# Altium PCB MOTHERBOARD.PcbDoc (part 2 of 4) (continued)
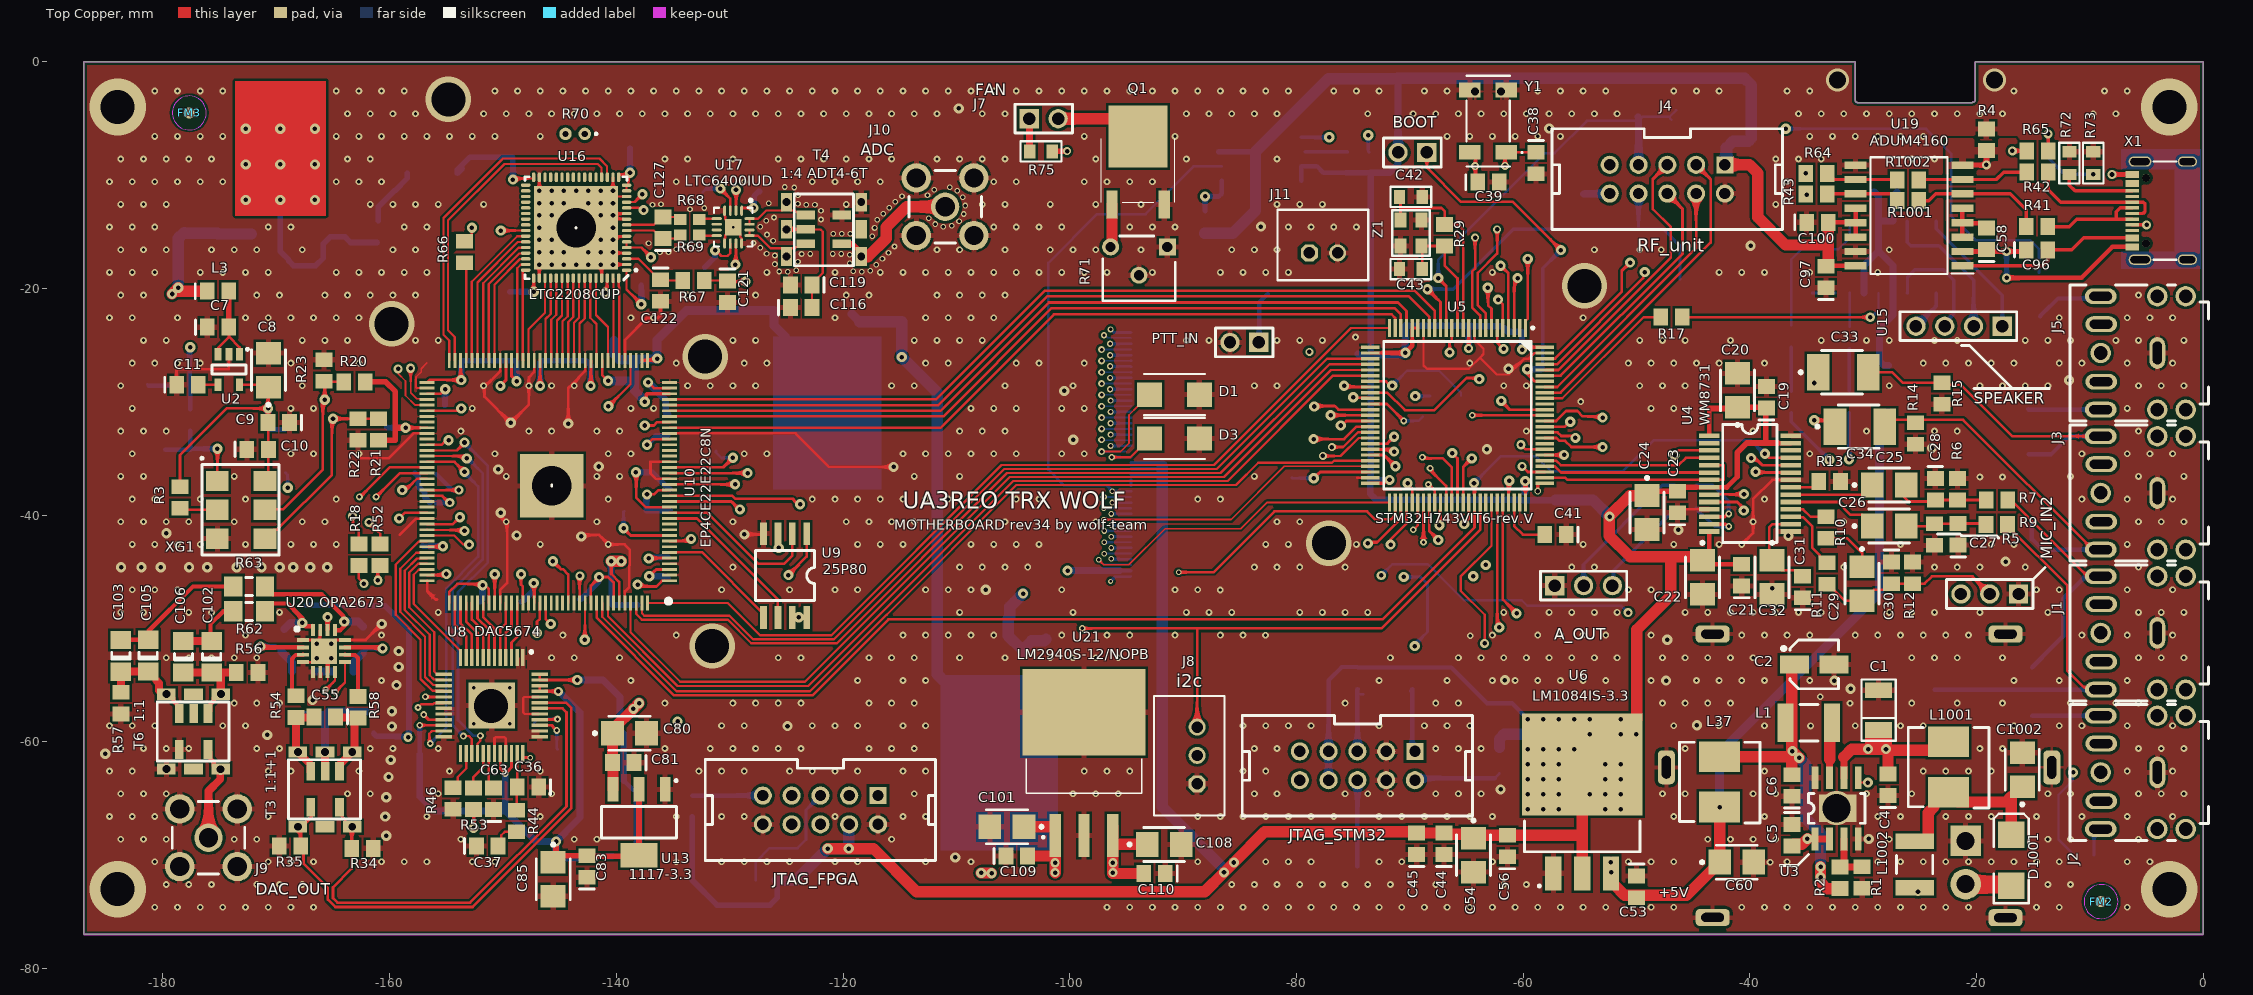
[diagram p0: Top Copper view]
## Nets (pads, with @x,y where several pads share a name; then routed paths per layer and width w, separated by ;. In a path a pad name is that pad's centre, name@x,y a point inside that pad or via, vN(x,y) a via of type N, cw(c..) or ccw(c..) an arc to the next point about the centre after c; other vN are vias at no path point) (continued)
  Bottom Copper w1: v4(-96.2,-71.55) v4(-96.2,-70.675)
  other v2: -165.475,-49
+13.8: C101.1 C109.2 J7.1 L1002.2 R75.2 U21.1 | length 159.7
  Top Copper w0.6: J7.1@-103.57,-5.035 -103.556,-5.049 -103.556,-7.903 R75.2@-103.542,-7.917
  Top Copper w1: C101.1@-104.05,-67.5 -101.295,-67.5 -101.29,-67.505 U21.1@-101.29,-68.275 ; C109.2@-103.725,-70.075 -101.295,-70.075 v4@-101.295,-70.675 ; v4(-101.3,-71.55) v4(-101.3,-70.675)
  Signal Layer 1 w1: v4(-101.3,-71.55) v4(-101.3,-70.675)
  Signal Layer 2 w0.6: J7.1@-103.57,-5.035 -103.55,-5.055 -103.55,-39.75 -92.992,-50.308 -92.992,-68.1
  Signal Layer 2 w1: v4(-101.3,-71.55) v4(-101.3,-70.675) -98.725,-68.1 -92.992,-68.1 -92.09,-69.002 -60.548,-69.002 -56.325,-73.225 v4(-25.175,-73.225)
  Bottom Copper w1: v4(-101.3,-71.55) v4(-101.3,-70.675)
+VA: C71.2 C77.1 C83.2 C85.1 U8.22 U8.32 U8.34 U8.45 U8.46 U13.2 U13.4 U14.3 | length 68
  Top Copper w0.2: v1@-157.2,-58.55 U8.22@-155.238,-58.55
  Top Copper w0.23: U8.32@-150.25,-61.038 -150.25,-62.35 v1(-149.8,-62.8) -149.25,-62.25 U8.34@-149.25,-61.038 ; U8.46@-146.762,-55.05 U8.45@-146.762,-55.55 -146.757,-55.545 -145.13,-55.545 v4(-145.125,-55.55)
  Top Copper w0.5: C85.1@-145.6,-70.1 -145.325,-69.825 v2(-145.325,-68.8) ; C85.1@-145.4,-70.05 -142.75,-70.05 -142.7,-70.1 -138.1,-70.1 U13.4@-138,-70 U13.2@-138,-64.2
  Bottom Copper w0.381: C77.1@-145.7,-70.3 C77.1@-145.6,-70.3 ; C77.1@-145.575,-70.65 -145.325,-70.4 C77.1@-145.325,-70.25 ; v4(-145.125,-55.55) v4@-145.05,-55.55 ; C71.2@-142.8,-70.25 C71.2@-142.65,-70.1
  Bottom Copper w0.4: -157.35,-61.1 v1(-157.35,-58.55)
  Bottom Copper w0.6: -157.35,-61.1 -157.35,-64.85 -156.1,-66.1 -149.8,-66.1 ; v1(-149.8,-62.8) -149.8,-66.1 ; v4@-145.05,-55.55 -143.2,-57.4 -143.2,-66.675 v2(-145.325,-68.8) ; C71.2@-142.8,-70.25 -145.325,-70.25 v2(-145.325,-68.8) ; C71.2@-142.65,-70.1 U14.3@-140.385,-70.1 ; -149.8,-66.1 -147.1,-68.8 v2(-145.325,-68.8)
+VD: C75.1 C78.2 U8.21 U8.47 U8.48 U14.2 U14.4 | length 43.8
  Top Copper w0.23: v1(-157,-57.6) -156.55,-58.05 U8.21@-155.238,-58.05 ; U8.48@-146.762,-54.05 U8.47@-146.762,-54.55 v2(-143.45,-54.55)
  Signal Layer 1 w0.5: v1(-157,-57.6) -154,-60.6 -149.325,-60.6 -147.138,-58.412 -147.138,-56.138 -145.55,-54.55 v2(-143.45,-54.55)
  Bottom Copper w0.381: C75.1@-139.675,-58.877 -139.302,-59.251 C75.1@-139.35,-59.3 ; U14.4@-139.35,-63.416 -138.466,-64.3 U14.4@-138.085,-64.3
  Bottom Copper w0.6: v2(-143.45,-54.55) -141.175,-54.55 -139.675,-56.05 C75.1@-139.675,-58.877 ; U14.4@-139.35,-63.416 C75.1@-139.35,-59.3
  Bottom Copper w0.8: U14.2@-138.085,-70.1 U14.4@-138.085,-64.3
AD1_CS: J6.35 U5.65 | length 42.5
  Top Copper w0.23: v2(-65.2,-40.8) -65.2,-40.7 -64.8,-40.3 U5.65@-64.8,-38.9
  Signal Layer 2 w0.23: v3(-96.35,-40.9) -91.475,-40.9 -84.725,-47.65 -68.875,-47.65 -65.2,-43.975 v2(-65.2,-40.8)
  Bottom Copper w0.23: v3(-96.35,-40.9) J6.35@-94.6,-40.9
AD2_CS: J6.36 J8.3 U5.67 | length 61.6
  Top Copper w0.23: v1@-98.86,-50 -88.75,-50 ; J8.3@-88.768,-58.707 -88.768,-50.018 -88.75,-50 ; U5.67@-63.8,-38.9 -63.8,-41.3 -72.5,-50 -88.75,-50
  Signal Layer 1 w0.23: v1@-98.9,-50.05 -98.9,-43.35 v3(-96.95,-41.4)
  Bottom Copper w0.15: v3(-96.95,-41.4) J6.36@-94.6,-41.4
  other v1: -98.9,-50
AD3_CS: J6.42 J8.2 U5.51 | length 52.2
  Top Copper w0.15: v3(-97.459,-43.939) -97.006,-44.392 -94.792,-44.392 -91.6,-41.2 -84.925,-41.2 -82.625,-38.9 U5.51@-71.8,-38.9
  Signal Layer 1 w0.2: v3(-97.459,-43.939) -94.799,-46.598 -94.602,-46.598 -92,-49.2 -92,-57.975
  Signal Layer 1 w0.4: -92,-57.975 J8.2@-88.768,-61.207
  Bottom Copper w0.15: v3(-97.459,-43.939) -97.053,-44.345 -94.655,-44.345 J6.42@-94.6,-44.4
AF_AMP_IN_L: C12.2 J3.5 | length 26
  Signal Layer 2 w0.23: v2(-31.25,-35.075) -12.225,-35.075 -11.79,-35.51 J3.5@-9.606,-35.51
  Bottom Copper w0.3: v2(-31.25,-35.075) -31.25,-30.975 C12.2@-31.225,-30.95
AF_AMP_IN_R: C35.2 J3.4 | length 31.2
  Signal Layer 2 w0.2: v2(-33,-35.125) -32.525,-35.125 -31.608,-36.042 -14.783,-36.042 -10.235,-40.59 J3.4@-9.606,-40.59
  Bottom Copper w0.3: C35.2@-36.35,-30.975 -36.35,-31.775 v2(-33,-35.125)
AF_AMP_MUTE: R17.2 U5.91 | length 13.2
  Top Copper w0.2: U5.91@-58.1,-29.7 -56.55,-29.7 -49.4,-22.55 R17.2@-47.875,-22.55
AUDIO_48K_CLOCK: U5.46 U10.136 | length 79.6
  Top Copper w0.2: U10.136@-141.25,-47.75 -141.25,-48.977 -134.692,-55.535 -122.922,-55.535 -116.172,-48.785 -116.16,-48.785 -104.717,-37.342 -85.342,-37.342 -83.375,-35.375 -76.875,-35.375 -76.7,-35.2 U5.46@-74.04,-35.2
AUDIO_I2S_CLOCK: U4.25 U5.66 U10.135 | length 122.9
  Top Copper w0.23: U10.135@-141.75,-47.75 -141.75,-49.056 -134.907,-55.9 -122.7,-55.9 -116,-49.2 -72.423,-49.2 -64.3,-41.077 U5.66@-64.3,-38.9 -64.3,-37.224 v2(-64.344,-37.18) ; v2(-38.684,-34.595) -38.329,-34.95 U4.25@-36.4,-34.95
  Bottom Copper w0.23: v2(-64.344,-37.18) -61.964,-34.8 -58.909,-34.8 -57.574,-36.135 -51.21,-36.135 -48.475,-33.4 -39.937,-33.4 -38.713,-34.624 v2(-38.684,-34.595)
CHARGE_PUMP: R45.1 R51.1 U10.132 | length 54.3
  Top Copper w0.23: U10.132@-143.25,-47.75 -143.25,-45.4 v4(-143.225,-45.375)
  Signal Layer 1 w0.23: v2(-177.6,-25.2) -168.2,-25.2 -160.2,-33.2 -160.2,-37.8 -158.35,-39.65 -154.389,-39.65 -153.589,-38.85 -149.1,-38.85 -143.225,-44.725 v4(-143.225,-45.375)
  Bottom Copper w0.4: R45.1@-177.6,-30.65 -177.6,-28.65 R51.1@-177.65,-28.6 -177.65,-25.25 v2(-177.6,-25.2)
CLK_122.88M: R21.2 R22.1 U10.89 U16.12 XG1.4 | length 72.6
  Top Copper w0.2: U16.12@-139.1,-12.9 -138.021,-12.9 -137.821,-13.1 v2(-137.6,-13.1)
  Top Copper w0.23: XG1.4@-171,-42.08 -170.215,-41.295 -169.92,-41.295 -165.1,-36.475 -165.1,-31.5 v2(-165,-31.5) R22.1@-162.8,-31.5 R21.2@-161,-31.5 ; v1(-161.2,-38.4) -159.1,-36.3 U10.89@-156.7,-36.3
  Signal Layer 1 w0.23: v2(-165,-31.5) -165,-34.6 v1(-161.2,-38.4)
  Signal Layer 2 w0.2: v2(-165,-31.5) -164.924,-31.424 -164.924,-30.673 -160.05,-25.8 -154.975,-25.8 -153.75,-24.575 -142.275,-24.575 -137.875,-20.175 -137.875,-13.375 v2(-137.6,-13.1) ; v1(-161.2,-38.4) -161.2,-38
CLK_N_122.88M: R20.2 R23.1 U10.88 U16.13 XG1.5 | length 75.1
  Top Copper w0.2: U16.13@-139.1,-12.4 -139.081,-12.381 -138.381,-12.381 v2(-137.7,-11.7)
  Top Copper w0.23: XG1.5@-171,-39.54 -171,-39.5 -169.4,-39.5 -165.9,-36 -165.9,-29.99 v2(-165.732,-29.822) -165.732,-28.269 R23.1@-165.75,-28.25 ; R20.2@-164.05,-28.25 R23.1@-165.75,-28.25 ; v1(-162.674,-38.402) -162.602,-38.402 -160,-35.8 U10.88@-156.7,-35.8 ; R23.1@-165.75,-28.25 R23.1@-165.8,-28.2 R23.1@-165.75,-28.25
  Signal Layer 1 w0.23: v2(-165.732,-29.822) -165.9,-29.822 -165.9,-35.1 -162.674,-38.326 v1(-162.674,-38.402)
  Signal Layer 2 w0.2: v2@-165.732,-29.766 v2(-165.732,-29.822) -164.572,-29.822 -160.2,-25.45 -155.225,-25.45 -153.95,-24.175 -142.675,-24.175 -138.5,-20 -138.5,-12.5 v2(-137.7,-11.7)
CLKOUTA: U10.90 U16.41 | length 31.3
  Top Copper w0.2: v2(-158.9,-37.8) -158.6,-37.8 -157.6,-36.8 U10.90@-156.7,-36.8 ; v2(-150.2,-14.9) U16.41@-148,-14.9
  Signal Layer 1 w0.23: v2(-158.9,-37.8) -158.9,-35.056 -156.825,-32.981 -156.825,-21.525 v2(-150.2,-14.9)
DA0: U10.68 U16.42 | length 13.4
  Top Copper w0.2: U10.68@-152.75,-26.35 -152.75,-19.41 -148.74,-15.4 U16.42@-148,-15.4
  Top Copper w0.23: U10.68@-152.75,-26.35 U10.68@-152.738,-26.338
DA1: U10.67 U16.43 | length 12.6
  Top Copper w0.2: U10.67@-152.25,-26.35 -152.25,-19.476 -148.693,-15.919 -148.019,-15.919 U16.43@-148,-15.9
  Top Copper w0.23: U10.67@-152.25,-26.35 U10.67@-152.243,-26.343
DA2: U10.66 U16.44 | length 11.9
  Top Copper w0.2: U10.66@-151.75,-26.35 -151.75,-19.542 -148.628,-16.419 -148.019,-16.419 U16.44@-148,-16.4
DA3: U10.65 U16.45 | length 11.1
  Top Copper w0.2: U10.65@-151.254,-26.346 -151.254,-19.611 -148.562,-16.919 -148.019,-16.919 U16.45@-148,-16.9
  Top Copper w0.23: U10.65@-151.254,-26.346 U10.65@-151.25,-26.35
DA4: U10.64 U16.46 | length 10.4
  Top Copper w0.2: U10.64@-150.759,-26.341 -150.759,-19.682 -148.496,-17.419 -148.019,-17.419 U16.46@-148,-17.4
  Top Copper w0.23: U10.64@-150.759,-26.341 U10.64@-150.75,-26.35
DA5: U10.60 U16.47 | length 9
  Top Copper w0.2: U10.60@-148.75,-26.35 -148.75,-18.239 -148.431,-17.919 -148.019,-17.919 U16.47@-148,-17.9
DA6: U10.59 U16.48 | length 8.2
  Top Copper w0.2: U10.59@-148.25,-26.35 -148.25,-18.446 -148.204,-18.4 U16.48@-148,-18.4
  Top Copper w0.23: U10.59@-148.25,-26.35 U10.59@-148.233,-26.333
DA7: U10.58 U16.51 | length 7.9
  Top Copper w0.2: U10.58@-147.75,-26.35 -147.75,-23.601 -146.3,-22.151 U16.51@-146.3,-19.1
DA8: U10.55 U16.52 | length 7.4
  Top Copper w0.2: U10.55@-146.25,-26.35 -146.25,-22.707 -145.8,-22.257 U16.52@-145.8,-19.1
DA9: U10.54 U16.53 | length 7.4
  Top Copper w0.2: U10.54@-145.75,-26.35 -145.75,-22.773 -145.3,-22.323 U16.53@-145.3,-19.1
  Top Copper w0.23: U10.54@-145.75,-26.35 U10.54@-145.747,-26.347
DA10: U10.53 U16.54 | length 7.4
  Top Copper w0.2: U10.53@-145.25,-26.35 -145.25,-22.838 -144.8,-22.388 U16.54@-144.8,-19.1
  Top Copper w0.23: U10.53@-145.253,-26.347 U10.53@-145.25,-26.35
DA11: U10.52 U16.55 | length 7.5
  Top Copper w0.2: U10.52@-144.75,-26.35 -144.75,-22.904 -144.3,-22.454 U16.55@-144.3,-19.1
  Top Copper w0.23: U10.52@-144.75,-26.35 U10.52@-144.725,-26.325
DA12: U10.51 U16.56 | length 7.5
  Top Copper w0.2: U10.51@-144.25,-26.35 -144.25,-22.97 -143.8,-22.52 U16.56@-143.8,-19.1
  Top Copper w0.23: U10.51@-144.25,-26.35 U10.51@-144.237,-26.337
DA13: U10.50 U16.57 | length 7.4
  Top Copper w0.2: U10.50@-143.75,-26.35 -143.75,-23.035 -143.3,-22.585 U16.57@-143.3,-19.1
  Top Copper w0.23: U10.50@-143.75,-26.35 U10.50@-143.742,-26.342
DA14: U10.49 U16.58 | length 7.5
  Top Copper w0.2: U10.49@-143.25,-26.35 -143.25,-23.101 -142.8,-22.651 U16.58@-142.8,-19.1
  Top Copper w0.23: U10.49@-143.25,-26.35 U10.49@-143.239,-26.339
DA15: U10.46 U16.59 | length 7.5
  Top Copper w0.2: U16.59@-142.3,-19.1 -142.3,-22.601 -141.75,-23.151 U10.46@-141.75,-26.35
DAC1: U8.16 U10.101 | length 17.1
  Top Copper w0.2: U10.101@-156.7,-42.3 -156.727,-42.327 -157.439,-42.327 -159.475,-44.363 -159.475,-48.8 -157.275,-51 -157.275,-54.456 -156.231,-55.5 -155.288,-55.5 U8.16@-155.238,-55.55
DAC2: U8.15 U10.103 | length 15.4
  Top Copper w0.2: U10.103@-156.7,-43.3 -156.727,-43.327 -157.658,-43.327 -159.075,-44.744 -159.075,-48.534 -156.875,-50.734 -156.875,-54.29 -156.165,-55 -155.288,-55 U8.15@-155.238,-55.05
DAC3: U8.14 U10.104 | length 14
  Top Copper w0.2: U10.104@-156.7,-43.8 -156.727,-43.827 -157.592,-43.827 -158.675,-44.909 -158.675,-48.369 -156.475,-50.569 -156.475,-54.125 -156.1,-54.5 -155.288,-54.5 U8.14@-155.238,-54.55
DAC4: U8.13 U10.105 | length 12.5
  Top Copper w0.2: U10.105@-156.7,-44.3 -157.5,-44.3 -158.275,-45.075 -158.275,-48.134 -156.075,-50.334 -156.075,-53.801 -155.826,-54.05 U8.13@-155.238,-54.05
DAC5: U8.12 U10.106 | length 10.4
  Top Copper w0.2: U10.106@-156.7,-44.8 -156.727,-44.827 -157.439,-44.827 -157.875,-45.263 -157.875,-47.85 -153.75,-51.975 U8.12@-153.75,-52.562
DAC6: U8.11 U10.110 | length 5.2
  Top Copper w0.23: U10.110@-154.25,-47.75 -154.25,-49.7 -153.25,-50.7 U8.11@-153.25,-52.562
DAC7: U8.10 U10.111 | length 5.2
  Top Copper w0.23: U10.111@-153.75,-47.75 -153.75,-49.548 -152.75,-50.548 U8.10@-152.75,-52.562
DAC8: U8.9 U10.112 | length 5.2
  Top Copper w0.23: U10.112@-153.25,-47.75 -153.25,-49.384 -152.25,-50.384 U8.9@-152.25,-52.562
DAC9: U8.8 U10.113 | length 5.2
  Top Copper w0.23: U10.113@-152.75,-47.75 -152.75,-49.219 -151.75,-50.219 U8.8@-151.75,-52.562
DAC10: U8.7 U10.114 | length 5.2
  Top Copper w0.23: U10.114@-152.25,-47.75 -152.25,-49.111 -151.25,-50.111 U8.7@-151.25,-52.562
DAC11: U8.6 U10.115 | length 5.2
  Top Copper w0.23: U10.115@-151.75,-47.75 -151.75,-48.997 -150.75,-49.997 U8.6@-150.75,-52.562
DAC12: U8.5 U10.119 | length 5
  Top Copper w0.23: U8.5@-150.25,-52.562 -150.25,-50.075 -149.75,-49.575 U10.119@-149.75,-47.75
DAC13: U8.4 U10.120 | length 5
  Top Copper w0.23: U8.4@-149.75,-52.562 -149.75,-50.356 -149.25,-49.856 U10.120@-149.25,-47.75
DAC14: U8.3 U10.121 | length 5
  Top Copper w0.23: U8.3@-149.25,-52.562 -149.25,-51.25 -148.75,-50.75 U10.121@-148.75,-47.75
DAC_CLK: R53.1 U10.125 | length 23.9
  Top Copper w0.2: v2(-152.6,-67.6) R53.1@-152.6,-66
  Top Copper w0.23: v2(-147,-50.4) -147,-49.4 -146.75,-49.15 U10.125@-146.75,-47.75
  Signal Layer 2 w0.2: v2(-152.6,-67.6) -147,-62 v2(-147,-50.4)
DAC_DIV0: U8.28 U10.85 | length 34.3
  Top Copper w0.2: U10.85@-156.7,-34.3 -154.061,-34.3 -153.4,-33.639 v2(-153.4,-33.6) ; U8.28@-152.25,-61.038 -152.25,-60.175 -152,-59.925 v1(-152,-59.475)
  Bottom Copper w0.23: v2@-153.4,-33.615 -151.34,-35.675 -151.34,-44.165 -153.975,-46.8 -153.975,-58.1 -152.6,-59.475 v1(-152,-59.475)
DAC_DIV1: U8.27 U10.86 | length 32.3
  Top Copper w0.2: U10.86@-156.7,-34.8 -153.4,-34.8 v2(-153.2,-35) ; v1(-153.5,-59.5) -153,-59.5 -152.75,-59.75 U8.27@-152.75,-61.038
  Bottom Copper w0.23: v1(-153.5,-59.5) -154.425,-58.575 -154.425,-46.55 -151.8,-43.925 -151.8,-36.3 v2@-153.15,-34.95
DAC_DRV_A0: R18.1 U10.76 | length 24.4
  Top Copper w0.15: v4(-158.15,-27.05) -158.15,-29.225 -157.627,-29.748 -156.752,-29.748 U10.76@-156.7,-29.8 U10.76@-157.233,-29.8
  Top Copper w0.2: v4(-163.264,-40.102) -163.248,-40.117 -163.248,-40.802 -162.725,-41.325 R18.1@-162.725,-42.55 ; R18.1@-162.625,-42.55 R18.1@-162.6,-42.525
  Signal Layer 2 w0.2: v4(-163.264,-40.102) -163.374,-39.992 -163.374,-29.874 -159.75,-26.25 -158.95,-26.25 v4(-158.15,-27.05)
DAC_DRV_A1: R52.1 U10.77 | length 21.9
  Top Copper w0.15: v4(-159.25,-27.1) -159.25,-27.525 -158.6,-28.175 -158.6,-29.45 -157.75,-30.3 U10.77@-156.7,-30.3
  Top Copper w0.2: v4(-161.825,-40.65) -160.825,-41.65 R52.1@-160.825,-42.575
  Signal Layer 2 w0.2: v4(-161.825,-40.65) -161.9,-40.575 -161.9,-29.75 v4(-159.25,-27.1)
DAC_HP1: U8.17 U10.99 | length 22.6
  Top Copper w0.2: v1@-156.85,-56.05 U8.17@-155.238,-56.05 ; v1(-156.85,-56.025) v1@-156.656,-56.025 ; U10.99@-156.7,-41.3 -156.673,-41.327 -153.473,-41.327 v2(-153.4,-41.4)
  Signal Layer 1 w0.2: v1(-156.85,-56.025) -156.9,-55.975 -156.9,-42.575 -155.725,-41.4 v2(-153.4,-41.4)
DAC_HP2: U8.18 U10.98 | length 25.2
  Top Copper w0.2: v1@-157.5,-56.873 v1(-157.5,-56.975) -157.225,-56.7 -156.2,-56.7 -156.1,-56.6 -155.288,-56.6 U8.18@-155.238,-56.55 ; U10.98@-156.7,-40.8 -154.421,-40.8 -154.021,-40.4 -154,-40.4 v2(-153.8,-40.2)
  Signal Layer 1 w0.23: v1(-157.5,-56.975) -157.5,-41.8 -155.9,-40.2 v2(-153.8,-40.2)
DAC_OUT_N: R34.2 T3.6 T3.10 U8.42 | length 44.2
  Top Copper w0.23: T3.10@-164.43,-65.79 -164.241,-65.98 -164.241,-66.56 -163.935,-66.866 -163.935,-67.191 -163.35,-67.775 R34.2@-163.35,-69.4 -163.35,-71.2 -165,-72.85 -165,-73.8 -164.605,-74.195 -152.895,-74.195 -144.4,-65.7 -144.4,-57.4 -144.75,-57.05 U8.42@-146.762,-57.05
  other v5: -163.3,-67.5
DAC_OUT_P: R35.2 T3.4 T3.11 U8.43 | length 47.2
  Top Copper w0.23: T3.11@-166.97,-65.79 -166.866,-65.79 -166.866,-66.591 -167.775,-67.5 v5(-168.1,-67.5) -167.85,-67.75 R35.2@-167.85,-69.2 -167.6,-69.45 -167.6,-70.75 -166.579,-71.771 -165.45,-72.9 -165.45,-73.925 -164.8,-74.575 -152.685,-74.575 -143.97,-65.86 -143.97,-57.03 -144.45,-56.55 U8.43@-146.762,-56.55
DAC_PD: U8.36 U10.100 | length 34.8
  Top Copper w0.2: U10.100@-156.7,-41.8 -154.3,-41.8 -153.5,-42.6 v2(-153,-42.6) ; U8.36@-148.25,-61.038 -148.25,-61.35 -148.2,-61.4 v3(-147.6,-61.4)
  Signal Layer 1 w0.23: v2(-153,-42.6) -153,-47 -146.6,-53.4 -143,-53.4 -142.4,-54 -142.4,-60.225 -143.575,-61.4 v3(-147.6,-61.4)
DAC_X4: U8.23 U10.87 | length 32.1
  Top Copper w0.2: U10.87@-156.7,-35.3 -154.3,-35.3 v2(-153.4,-36.2) ; v1(-156.425,-60.15) -156.502,-60.073 -156.502,-59.285 -156.276,-59.059 -155.247,-59.059 U8.23@-155.238,-59.05
  Bottom Copper w0.23: v1(-156.425,-60.15) -155,-58.725 -155,-46.475 -152.2,-43.675 -152.2,-37.472 -153.3,-36.372 v2@-153.3,-36.2
DCDC_SYNC: J6.44 U3.5 U10.133 | length 163.4
  Top Copper w0.2: v2(-142.8,-51) -142.775,-50.975 -142.775,-47.775 U10.133@-142.75,-47.75 ; U3.5@-30.444,-63.174 -30.444,-63.4 -30.244,-63.6 v2(-29.588,-63.6)
  Signal Layer 1 w0.2: v2(-142.8,-51) -141.4,-52.4 -141.4,-66 -135.4,-72 -116.4,-72 -112.525,-68.125 -93.05,-68.125 ; v16(-96.398,-45.851) -93.05,-49.2 -93.05,-68.125 ; v2(-29.588,-63.6) -42.25,-63.6 -46.775,-68.125 -93.05,-68.125
  Bottom Copper w0.2: v16(-96.398,-45.851) -95.991,-45.444 -94.644,-45.444 J6.44@-94.6,-45.4
DITH: U10.71 U16.20 | length 29.2
  Top Copper w0.2: U10.71@-154.25,-26.35 -154.25,-24.3 -154.85,-23.7 -154.85,-14 -149.875,-9.025 -141.65,-9.025 -141.319,-9.356 -141.319,-10.181 U16.20@-141.3,-10.2
ENC2_CLK: J6.38 U5.7 | length 80.9
  Top Copper w0.23: v2(-63.136,-19.949) -63.1,-19.986 -63.1,-21.5 -62.8,-21.8 U5.7@-62.8,-23.5
  Signal Layer 1 w0.15: v3(-96.95,-42.4) -88.65,-42.4
  Signal Layer 1 w0.23: -88.65,-42.4 -88.537,-42.4 -81.232,-49.705 -66.143,-49.705 -52,-35.562 -52,-29.925 -62.1,-19.825 -63.012,-19.825 v2(-63.136,-19.949)
  Bottom Copper w0.15: v3(-96.95,-42.4) J6.38@-94.6,-42.4
ENC2_DT: J6.37 U5.5 | length 74.4
  Top Copper w0.23: v2(-62.224,-20.989) -61.8,-21.413 U5.5@-61.8,-23.5
  Signal Layer 1 w0.23: v3(-96.35,-41.9) -88.499,-41.9 -81.074,-49.325 -66.3,-49.325 -53.975,-37 -53.975,-29.238 v2(-62.224,-20.989)
  Bottom Copper w0.23: v3(-96.35,-41.9) J6.37@-94.6,-41.9
ENC2_SW: J6.39 U5.3 | length 80.3
  Top Copper w0.23: U5.3@-60.8,-23.5 -60.8,-19.4 v2(-60.5,-19.1)
  Signal Layer 1 w0.23: v3(-96.35,-42.9) -88.574,-42.9 -81.389,-50.085 -65.985,-50.085 -51.55,-35.65 -51.55,-29.6 -60.5,-20.65 v2(-60.5,-19.1)
  Bottom Copper w0.23: v3(-96.35,-42.9) J6.39@-94.6,-42.9
ENC_CLK: J6.41 U5.1 | length 84.8
  Top Copper w0.23: U5.1@-59.8,-23.5 -59.8,-22.85 -59.765,-22.815 -59.735,-22.815 -59.6,-22.68 v2(-59.6,-17.4)
  Signal Layer 1 w0.23: v3(-96.35,-43.87) -96.32,-43.9 -88.649,-43.9 -81.704,-50.845 -65.67,-50.845 -50.75,-35.925 -50.75,-28.975 -59.075,-20.65 -59.075,-17.999 -59.6,-17.474 v2(-59.6,-17.4)
  Bottom Copper w0.23: v3(-96.35,-43.87) -96.32,-43.9 J6.41@-94.6,-43.9
ENC_DT: J6.40 U5.4 | length 86.7
  Top Copper w0.23: v2(-62,-18) -61.323,-18.677 -61.323,-23.477 U5.4@-61.3,-23.5
  Signal Layer 1 w0.15: v3(-96.95,-43.4) -96.552,-43.4 -96.547,-43.395 -88.83,-43.395 -88.825,-43.4
  Signal Layer 1 w0.23: -88.825,-43.4 -88.611,-43.4 -81.546,-50.465 -65.828,-50.465 -51.15,-35.787 -51.15,-29.275 -59.625,-20.8 -59.625,-18.55 -60.175,-18 v2(-62,-18) v2@-61.723,-18.277
  Bottom Copper w0.15: v3(-96.95,-43.4) -96.552,-43.4 -96.547,-43.395 -95.864,-43.395 -95.858,-43.4 J6.40@-94.6,-43.4
ESP_1_RX: J6.32 U5.64 | length 51.9
  Top Copper w0.23: U5.64@-65.3,-38.9 -65.3,-35.762 v2(-64.537,-34.999)
  Signal Layer 2 w0.2: v3(-97,-39.4) -92.362,-39.4 -92.306,-39.456 ; -84.425,-47.23 -84.42,-47.225 -69.05,-47.225 -66.008,-44.183 -66.008,-36.47 v2(-64.537,-34.999)
  Signal Layer 2 w0.23: -92.306,-39.456 -84.532,-47.23 -84.425,-47.23
  Bottom Copper w0.2: v3(-97,-39.4) J6.32@-94.6,-39.4
ESP_1_TX: J6.31 U5.63 | length 50
  Top Copper w0.23: v2(-66.26,-34.537) -65.8,-34.997 U5.63@-65.8,-38.9
  Signal Layer 2 w0.2: -68.214,-45.814 -66.408,-44.008 -66.408,-34.686 v2(-66.26,-34.537)
  Signal Layer 2 w0.23: v3(-96.25,-38.9) -92.325,-38.9 -84.375,-46.85 -69.25,-46.85 -68.214,-45.814
  Bottom Copper w0.23: v3(-96.25,-38.9) J6.31@-94.6,-38.9
FMC_A18: J6.2 U5.60 | length 52.4
  Top Copper w0.23: v2(-67.4,-40.9) -67.262,-40.9 -67.335,-40.827 -67.335,-38.935 U5.60@-67.3,-38.9
  Signal Layer 1 w0.15: v6@-97.2,-24.125 -97,-24.125 v6(-96.984,-24.141) ; v6@-96.984,-24.175 -93.525,-24.175 -91.4,-22.05 -70.443,-22.05 -67.4,-25.092 v2(-67.4,-40.9)
  Bottom Copper w0.15: v6(-96.984,-24.141) -96.876,-24.141 -96.667,-24.35 -94.65,-24.35 J6.2@-94.6,-24.4
FMC_D0: J6.6 U5.61 | length 48.9
  Top Copper w0.23: v1(-68.219,-35.877) -68.219,-36.004 -66.8,-37.423 U5.61@-66.8,-38.9
  Signal Layer 1 w0.15: v1@-97.05,-26.4 -95,-26.4
  Signal Layer 1 w0.23: -95,-26.4 -91.025,-22.425 -70.7,-22.425 -67.775,-25.35 -67.775,-35.433 v1(-68.219,-35.877)
  Bottom Copper w0.15: v1@-97.05,-26.4 J6.6@-94.6,-26.4
  other v1: -97.2,-26.4
FMC_D1: J6.7 U5.62 | length 48.4
  Top Copper w0.23: v1(-68.9,-34.9) -68.8,-35 -67.1,-35 -66.3,-35.8 U5.62@-66.3,-38.9
  Signal Layer 1 w0.15: v6(-96.45,-26.877) -96.427,-26.9 -94.85,-26.9
  Signal Layer 1 w0.23: -94.85,-26.9 -90.875,-22.925 -71.1,-22.925 -68.22,-25.805 -68.22,-34.22 v1(-68.9,-34.9)
  Bottom Copper w0.23: v6(-96.45,-26.877) -96.439,-26.889 -94.612,-26.889 J6.7@-94.6,-26.9
FMC_D2: J6.8 U5.81 | length 48
  Top Copper w0.23: U5.81@-58.1,-34.7 -58.089,-34.711 -58.078,-34.7 v2(-56.4,-34.7)
  Signal Layer 2 w0.15: v1(-97.2,-27.4) -65.7,-27.4
  Signal Layer 2 w0.23: -65.7,-27.4 -61.3,-31.8 -59.3,-31.8 v2(-56.4,-34.7)
  Bottom Copper w0.15: v1@-97.05,-27.4 J6.8@-94.6,-27.4
FMC_D3: J6.9 U5.82 | length 42.8
  Top Copper w0.23: v4(-60.2,-33.8) -59.8,-34.2 U5.82@-58.1,-34.2
  Signal Layer 2 w0.15: v6(-96.45,-27.9) -66.75,-27.9
  Signal Layer 2 w0.23: -66.75,-27.9 -66.1,-27.9 v4(-60.2,-33.8)
  Bottom Copper w0.23: v6(-96.45,-27.9) J6.9@-94.6,-27.9
FMC_D4: J6.10 U5.37 | length 27
  Top Copper w0.23: v2(-78.435,-30.423) -78.389,-30.377 -76.659,-30.377 -76.636,-30.4 -76.608,-30.4 -76.308,-30.7 U5.37@-73.5,-30.7
  Signal Layer 1 w0.15: v1@-97.05,-28.4 -86.046,-28.4
  Signal Layer 1 w0.23: -86.046,-28.4 -84.023,-30.423 v2(-78.435,-30.423)
  Bottom Copper w0.15: v1@-97.05,-28.4 J6.10@-94.6,-28.4
  other v1: -97.2,-28.4
FMC_D5: J6.11 U5.38 | length 25.8
  Top Copper w0.23: v2(-77,-31.2) U5.38@-73.5,-31.2
  Signal Layer 1 w0.23: v6(-96.45,-28.9) -86.851,-28.9 -84.506,-31.246 -77.046,-31.246 v2(-77,-31.2)
  Bottom Copper w0.23: v6(-96.45,-28.9) J6.11@-94.6,-28.9
FMC_D6: J6.12 U5.39 | length 27.2
  Top Copper w0.23: v2(-76.1,-32.1) -76,-32.1 -75.6,-31.7 U5.39@-73.5,-31.7
  Signal Layer 1 w0.15: v1@-97,-29.4 -87.621,-29.4
  Signal Layer 1 w0.23: -87.621,-29.4 -84.921,-32.1 v2(-76.1,-32.1)
  Bottom Copper w0.15: v1@-97,-29.4 J6.12@-94.6,-29.4
  other v1: -97.2,-29.4
FMC_D7: J6.13 U5.40 | length 26.6
  Top Copper w0.23: v2(-78.5,-33.3) -75.8,-33.3 -74.7,-32.2 U5.40@-73.5,-32.2
  Signal Layer 1 w0.23: v6(-96.4,-29.9) -88.136,-29.9 -84.736,-33.3 v2(-78.5,-33.3)
  Bottom Copper w0.23: v6(-96.4,-29.9) J6.13@-94.6,-29.9
FMC_D8: J6.14 U5.41 | length 28
  Top Copper w0.2: v7(-76.875,-34) -75.879,-34 -74.579,-32.7 -74.55,-32.7
  Top Copper w0.23: -74.55,-32.7 U5.41@-73.5,-32.7
  Signal Layer 1 w0.15: v1@-97,-30.4 -89.305,-30.4
  Signal Layer 1 w0.23: -89.305,-30.4 -85.64,-34.065 -76.94,-34.065 v7(-76.875,-34)
  Bottom Copper w0.15: v1@-97,-30.4 J6.14@-94.6,-30.4
  other v1: -97.2,-30.4
FMC_D9: J6.15 U5.42 | length 27
  Top Copper w0.2: v7@-77.675,-34.875 -77.6,-34.8 -76.113,-34.8 -74.513,-33.2 U5.42@-73.5,-33.2
  Signal Layer 1 w0.23: v6(-96.4,-30.9) -90.401,-30.9 -86.426,-34.875 v7@-77.675,-34.875
  Bottom Copper w0.23: v6(-96.4,-30.9) J6.15@-94.6,-30.9
  other v7: -77.675,-34.775
FMC_D10: J6.16 U5.43 | length 33.4
  Top Copper w0.23: U5.43@-73.5,-33.7 -72,-33.7 v2(-71.4,-33.1)
  Signal Layer 2 w0.15: v1@-97,-31.4 -83.5,-31.4
  Signal Layer 2 w0.23: -83.5,-31.4 -80.625,-28.525 -77.157,-28.525 -72.582,-33.1 v2(-71.4,-33.1)
  Bottom Copper w0.15: v1@-97,-31.4 J6.16@-94.6,-31.4
  other v1: -97.2,-31.4
FMC_D11: J6.17 U5.44 | length 32.5
  Top Copper w0.23: U5.44@-73.5,-34.2 -71.6,-34.2 v2(-71.4,-34.4)
  Signal Layer 2 w0.15: v6(-96.4,-31.9) -83.18,-31.9
  Signal Layer 2 w0.23: -83.18,-31.9 -80.23,-28.95 -77.406,-28.95 -72.008,-34.348 -72.005,-34.348 -71.953,-34.4 v2(-71.4,-34.4)
  Bottom Copper w0.23: v6(-96.4,-31.9) J6.17@-94.6,-31.9
FMC_D12: J6.18 U5.45 | length 34.6
  Top Copper w0.23: U5.45@-73.5,-34.7 -72.3,-34.7 -71.311,-35.689 v2(-71.275,-35.689)
  Signal Layer 2 w0.15: v1@-97,-32.4 -82.75,-32.4
  Signal Layer 2 w0.23: -82.75,-32.4 -79.75,-29.4 -77.564,-29.4 v2(-71.275,-35.689)
  Bottom Copper w0.15: v1@-97,-32.4 J6.18@-94.6,-32.4
  other v1: -97.2,-32.4